# Allegro board 1155000-zp-dic_pda_8ch_board_v002.brd (continued)
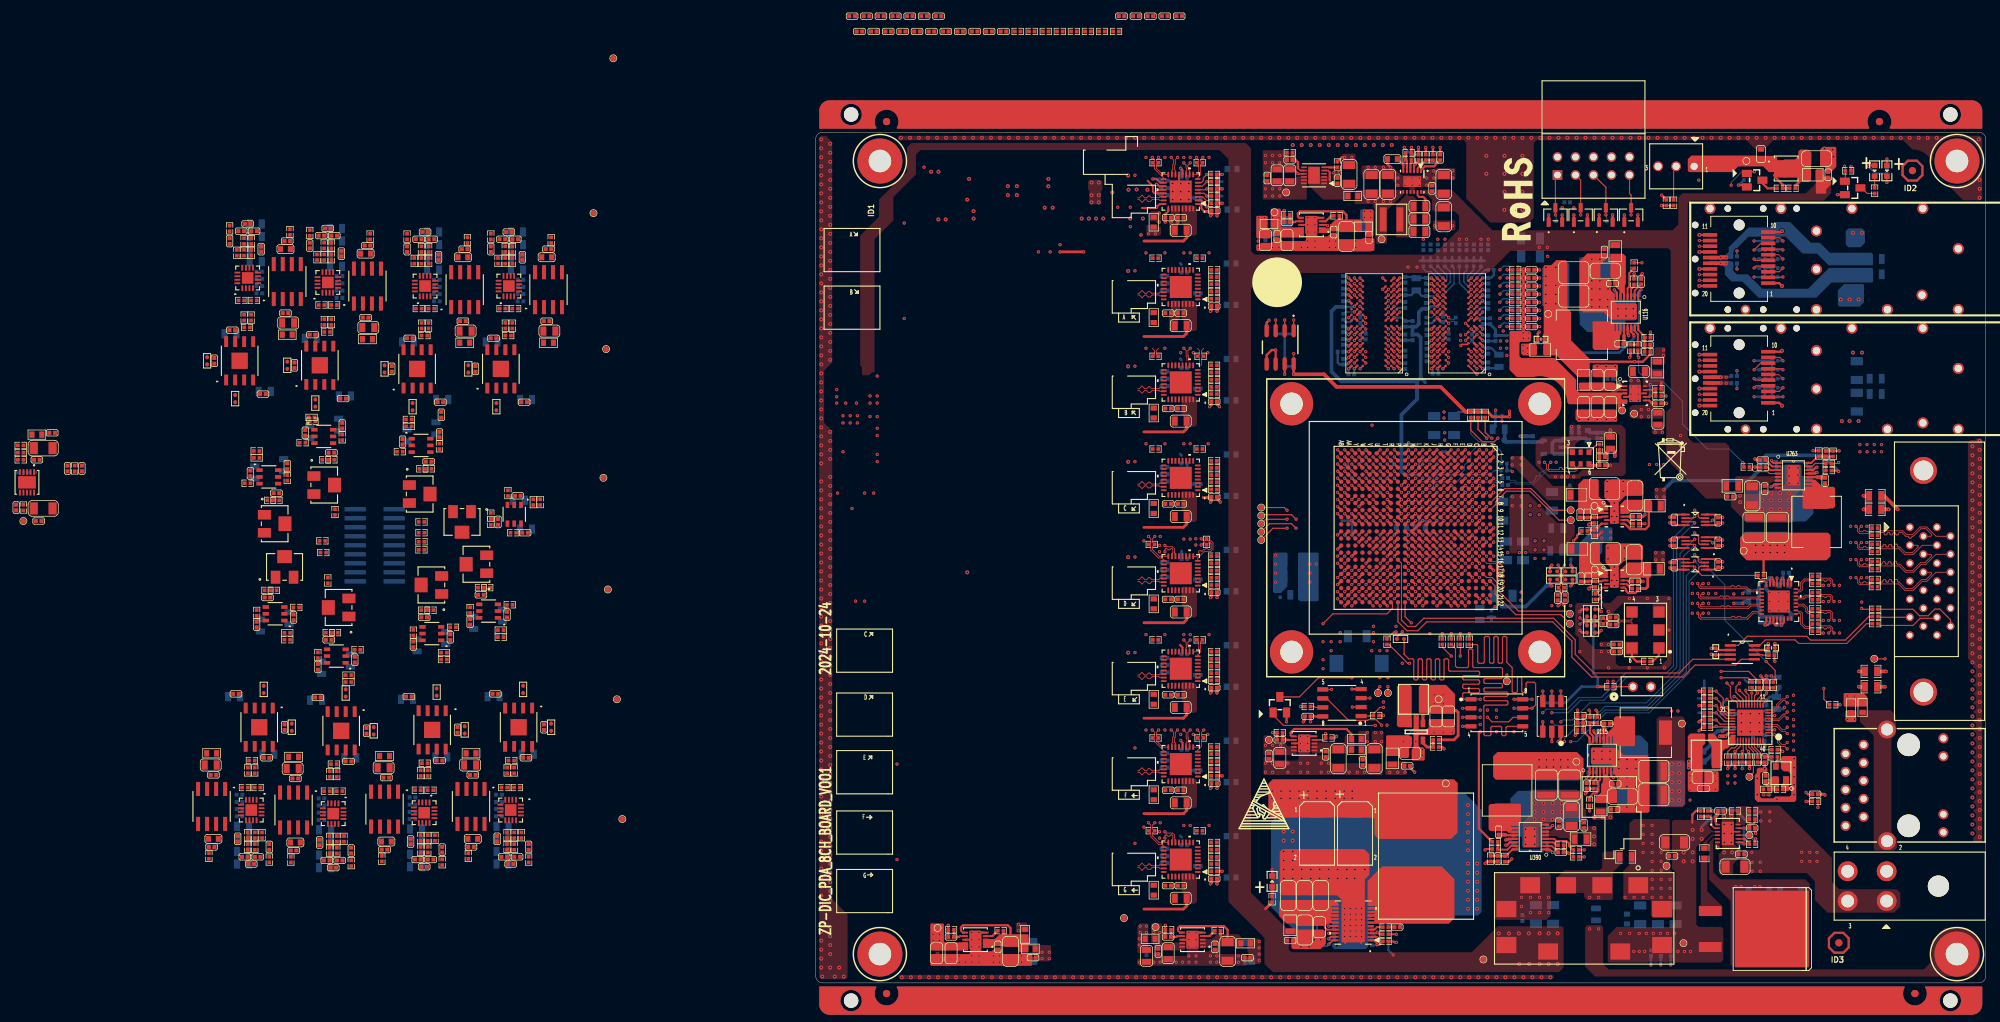
[diagram p0: board, top side]
## Placement (name value [footprint] x y rotation side) (continued)
R2235  1K_DNP  [R0402]  125.7 39.12 0 top
R2236  1K_DNP  [R0402]  125.7 38.1 0 top
R2237  1K  [R0402]  125.7 39.12 180 bottom
R2238  1K  [R0402]  125.7 38.1 180 bottom
R2239  1K_DNP  [R0402]  125.7 40.13 180 bottom
R2240  1K  [R0402]  125.7 40.13 0 top
R2242  1K_DNP  [R0402]  129.63 31.5 90 top
R2244  1K  [R0402]  130.65 31.5 90 top
R2245  1K_DNP  [R0402]  131.67 31.5 90 top
R2247  1K  [R0402]  133.06 42.04 90 bottom
R2248  4.7K  [R0402]  129.63 31.5 270 bottom
R2249  4.7K  [R0402]  131.67 31.5 270 bottom
R2250  4.7K_DNP  [R0402]  130.65 31.5 270 bottom
R2251  4.7K  [R0402]  128.62 31.5 270 top
R2252  100K  [R0402]  134.08 42.04 270 bottom
R2253  0_DNP  [R0402]  135.46 70.51 270 bottom
R2254  49.9K  [R0402]  66.47 108.33 180 top
R2517  -  [44WR10KLFT7]  -47.83 59.06 90 top
R2518  47K  [R0402]  -46.31 55.75 180 top
R2598  4.7K  [R0402]  134.79 46.23 0 top
R2659  10K  [R0402]  -104.47 72.57 270 top
R2666  0_DNP  [R0402]  -112.09 74.8 0 top
R2668  10K_DNP  [R0402]  -110.44 72.01 180 bottom
R2670  0  [R0402]  -112.09 75.82 0 top
R2671  10K  [R0402]  -112.09 73.79 180 top
R2672  100K  [R0402]  -111.71 67.06 270 top
R2674  10K_DNP  [R0402]  -48.72 52.58 90 top
R2676  0  [R0402]  -43.13 53.34 180 top
R2677  10K  [R0402]  -41.48 20.83 90 top
R2679  33  [R0402]  -44.4 48.77 180 top
R2681  33  [R0402]  -42.5 20.83 270 top
R2684  0  [R0402]  -42.5 19.18 270 top
R2688  33_DNP  [R0402]  -42.92 31.37 0 top
R2690  33  [R0402]  -43.51 20.83 270 top
R2691  0  [R0402]  -43.51 19.18 270 top
R2692  49.9K_DNP  [R0402]  -47.2 55.75 0 top
R2696  10K_DNP  [R0402]  -66.76 76.96 270 top
R2697  0  [R0402]  -72.34 76.2 0 top
R2698  10K  [R0402]  -70.31 102.36 270 top
R2700  33  [R0402]  -70.95 79.23 0 top
R2704  33  [R0402]  -69.3 102.36 90 top
R2705  0  [R0402]  -69.3 104.01 90 top
R2709  33_DNP  [R0402]  -68.88 91.82 180 top
R2711  33  [R0402]  -68.28 102.36 90 top
R2712  0  [R0402]  -68.28 104.01 90 top
R2713  49.9K_DNP  [R0402]  -68.28 73.79 180 top
R2716  10K_DNP  [R0402]  -42.63 63.5 180 top
R2718  0  [R0402]  -43.39 69.09 270 top
R2719  10K  [R0402]  -44.78 101.85 270 top
R2721  33  [R0402]  -38.83 67.82 270 top
R2725  33  [R0402]  -43.77 101.85 90 top
R2726  0  [R0402]  -43.77 103.51 90 top
R2730  33_DNP  [R0402]  -43.35 91.31 180 top
R2732  33  [R0402]  -42.75 101.85 90 top
R2733  0  [R0402]  -42.75 103.51 90 top
R2734  49.9K_DNP  [R0402]  -45.8 65.02 90 top
R2737  10K_DNP  [R0402]  -74.5 71.25 270 top
R2739  0  [R0402]  -80.09 70.49 0 top
R2740  10K  [R0402]  -81.61 103 270 top
R2741  33  [R0402]  -78.82 75.04 0 top
R2746  33  [R0402]  -80.6 103 90 top
R2747  0  [R0402]  -80.6 104.65 90 top
R2751  33_DNP  [R0402]  -80.18 92.46 180 top
R2753  33  [R0402]  -79.58 103 90 top
R2754  0  [R0402]  -79.58 104.65 90 top
R2755  49.9K_DNP  [R0402]  -76.03 68.07 180 top
R2758  10K_DNP  [R0402]  -53.04 75.69 270 top
R2760  0  [R0402]  -58.63 74.93 0 top
R2761  10K  [R0402]  -56.6 101.85 270 top
R2764  33  [R0402]  -57.36 79.48 0 top
R2766  33  [R0402]  -55.58 101.85 90 top
R2768  0  [R0402]  -55.58 103.51 90 top
R2772  33_DNP  [R0402]  -55.16 91.31 180 top
R2774  33  [R0402]  -54.56 101.85 90 top
R2775  0  [R0402]  -54.56 103.51 90 top
R2779  10K_DNP  [R0402]  -78.82 52.2 90 top
R2781  0  [R0402]  -73.23 52.96 180 top
R2782  10K  [R0402]  -78.06 20.83 90 top
R2783  33  [R0402]  -74.5 48.41 180 top
R2788  33  [R0402]  -79.07 20.83 270 top
R2789  0  [R0402]  -79.07 19.18 270 top
R2793  33_DNP  [R0402]  -79.49 31.37 0 top
R2795  33  [R0402]  -80.09 20.83 270 top
R2796  0  [R0402]  -80.09 19.18 270 top
R2800  10K_DNP  [R0402]  -56.72 49.4 90 top
R2802  0  [R0402]  -51.13 50.17 180 top
R2803  10K  [R0402]  -53.67 20.45 90 top
R2805  33  [R0402]  -52.4 45.61 180 top
R2808  33  [R0402]  -54.69 20.45 270 top
R2810  0  [R0402]  -54.69 18.8 270 top
R2814  33_DNP  [R0402]  -55.11 30.99 0 top
R2816  33  [R0402]  -55.71 20.45 270 top
R2817  0  [R0402]  -55.71 18.8 270 top
R2821  10K_DNP  [R0402]  -70.18 46.23 90 top
R2823  0  [R0402]  -64.6 46.99 180 top
R2824  10K  [R0402]  -66.5 20.32 90 top
R2827  33  [R0402]  -65.87 42.44 180 top
R2830  33  [R0402]  -67.52 20.32 270 top
R2831  0  [R0402]  -67.52 18.67 270 top
R2835  33_DNP  [R0402]  -67.94 30.86 0 top
R2837  33  [R0402]  -68.53 20.32 270 top
R2838  0  [R0402]  -68.53 18.67 270 top
R3010  10K  [R0402]  118.84 83.79 180 top
R3011  0  [R0402]  118.84 82.78 0 top
R3012  100  [R0402]  54.15 75.31 180 top
R3013  100  [R0402]  47.93 75.31 180 top
R3014  0  [R0402]  56.18 69.6 180 top
R3015  0_NP  [R0402]  56.18 73.66 180 top
R3016  1K  [R0402]  56.18 73.66 180 bottom
R3017  0_NP  [R0402]  56.18 72.64 180 top
R3018  1K  [R0402]  56.18 72.64 180 bottom
R3019  0_NP  [R0402]  56.18 71.63 180 top
R3020  1K  [R0402]  56.18 71.63 180 bottom
R3021  0  [R0402]  56.18 70.61 180 top
R3022  1K_NP  [R0402]  56.18 70.61 180 bottom
R3026  0  [R0402]  -40.47 17.4 90 top
R3033  100  [R0402]  55.12 62.22 270 top
R3034  100  [R0402]  47.39 61.85 180 top
R3035  0  [R0402]  56.18 56.13 180 top
R3036  0_NP  [R0402]  56.18 60.2 180 top
R3037  1K  [R0402]  56.18 60.2 180 bottom
R3038  0_NP  [R0402]  56.18 59.18 180 top
R3039  1K  [R0402]  56.18 59.18 180 bottom
R3040  0_NP  [R0402]  56.18 58.17 180 top
R3041  1K  [R0402]  56.18 58.17 180 bottom
R3042  0  [R0402]  56.18 57.15 180 top
R3043  1K_NP  [R0402]  56.18 57.15 180 bottom
R3047  0  [R0402]  -71.33 105.79 270 top
R3054  100  [R0402]  54.28 88.39 180 top
R3055  100  [R0402]  47.93 88.39 180 top
R3056  0  [R0402]  56.18 83.06 180 top
R3057  0_NP  [R0402]  56.18 87.12 180 top
R3058  1K  [R0402]  56.18 87.12 180 bottom
R3059  0_NP  [R0402]  56.18 86.11 180 top
R3060  1K  [R0402]  56.18 86.11 180 bottom
R3061  0_NP  [R0402]  56.18 85.09 180 top
R3062  1K  [R0402]  56.18 85.09 180 bottom
R3063  0  [R0402]  56.18 84.07 180 top
R3064  1K_NP  [R0402]  56.18 84.07 180 bottom
R3068  0  [R0402]  -45.8 105.28 270 top
R3075  100  [R0402]  54.15 48.39 180 top
R3076  100  [R0402]  47.93 48.39 180 top
R3077  0  [R0402]  56.18 42.67 180 top
R3078  0_NP  [R0402]  56.18 46.74 180 top
R3079  1K  [R0402]  56.18 46.74 180 bottom
R3080  0_NP  [R0402]  56.18 45.72 180 top
R3081  1K  [R0402]  56.18 45.72 180 bottom
R3082  0_NP  [R0402]  56.18 44.7 180 top
R3083  1K  [R0402]  56.18 44.7 180 bottom
R3084  0  [R0402]  56.18 43.69 180 top
R3085  1K_NP  [R0402]  56.18 43.69 180 bottom
R3089  0  [R0402]  -82.63 106.43 270 top
R3096  100  [R0402]  47.93 102.24 180 top
R3097  100  [R0402]  54.15 102.24 180 top
R3098  0  [R0402]  56.18 96.52 180 top
R3099  0_NP  [R0402]  56.18 100.58 180 top
R3100  1K  [R0402]  56.18 100.58 180 bottom
R3101  0_NP  [R0402]  56.18 99.57 180 top
R3102  1K  [R0402]  56.18 99.57 180 bottom
R3103  0_NP  [R0402]  56.18 98.55 180 top
R3104  1K  [R0402]  56.18 98.55 180 bottom
R3105  0  [R0402]  56.18 97.54 180 top
R3106  1K_NP  [R0402]  56.18 97.54 180 bottom
R3110  0  [R0402]  -57.61 105.28 270 top
R3117  100  [R0402]  54.28 34.54 180 top
R3118  100  [R0402]  47.93 34.54 180 top
R3119  0  [R0402]  56.18 29.21 180 top
R3120  0_NP  [R0402]  56.18 33.27 180 top
R3121  1K  [R0402]  56.18 33.27 180 bottom
R3122  0_NP  [R0402]  56.18 32.26 180 top
R3123  1K  [R0402]  56.18 32.26 180 bottom
R3124  0_NP  [R0402]  56.18 31.24 180 top
R3125  1K  [R0402]  56.18 31.24 180 bottom
R3126  0  [R0402]  56.18 30.23 180 top
R3127  1K_NP  [R0402]  56.18 30.23 180 bottom
R3131  0  [R0402]  -77.04 17.4 90 top
R3138  100  [R0402]  54.15 115.7 180 top
R3139  100  [R0402]  47.93 115.7 180 top
R3140  0  [R0402]  56.18 109.98 180 top
R3141  0_NP  [R0402]  56.18 114.05 180 top
R3142  1K  [R0402]  56.18 114.05 180 bottom
R3143  0_NP  [R0402]  56.18 113.03 180 top
R3144  1K  [R0402]  56.18 113.03 180 bottom
R3145  0_NP  [R0402]  56.18 112.01 180 top
R3146  1K  [R0402]  56.18 112.01 180 bottom
R3147  0  [R0402]  56.18 111 180 top
R3148  1K_NP  [R0402]  56.18 111 180 bottom
R3152  0  [R0402]  -52.66 17.02 90 top
R3159  100  [R0402]  54.15 21.46 180 top
R3160  100  [R0402]  47.39 21.46 180 top
R3161  0  [R0402]  56.18 15.75 180 top
R3162  0_NP  [R0402]  56.18 19.81 180 top
R3163  1K  [R0402]  56.18 19.81 180 bottom
R3164  0_NP  [R0402]  56.18 18.8 180 top
R3165  1K  [R0402]  56.18 18.8 180 bottom
R3166  0_NP  [R0402]  56.18 17.78 180 top
R3167  1K  [R0402]  56.18 17.78 180 bottom
R3168  0  [R0402]  56.18 16.76 180 top
R3169  1K_NP  [R0402]  56.18 16.76 180 bottom
R3173  0  [R0402]  -65.49 16.89 90 top
R3180  1K  [R0402]  -112.09 72.01 180 bottom
R3188  10K  [R0402]  95.79 19.91 0 top
R3189  0  [R0402]  107.22 18.77 180 top
R3191  1M  [R0402]  95.17 17.53 270 top
R3192  0_DNP  [R0402]  102.78 18.64 180 bottom
R3193  0  [R0402]  102.78 19.65 0 bottom
R3195  52.3K  [R0402]  105.08 19.43 0 top
R3196  0_DNP  [R0402]  103.18 21.67 90 bottom
R3197  169K  [R0402]  97.19 17.5 270 top
R3198  0_DNP  [R0402]  107.23 17.78 180 top
R3200  0_DNP  [R0402]  87.04 116.46 270 top
R3201  0  [R0402]  95.79 18.89 0 top
R3203  24.9K  [R0402]  19.1 7.49 180 top
R3204  10K_DNP  [R0402]  26.08 7.37 0 top
R3205  0  [R0402]  73.58 115.44 270 top
R3206  24.9K  [R0402]  66.85 117.09 180 top
R3207  0  [R0402]  -55.58 62.23 0 top
R3208  0  [R0402]  -67.77 66.42 90 top
R3209  0  [R0402]  -55.58 63.5 0 top
R3210  0  [R0402]  -69.55 62.36 180 top
R3211  0  [R0402]  -55.58 65.02 0 top
R3212  0  [R0402]  -69.42 60.71 180 top
R3213  0  [R0402]  -55.58 61.09 0 top
R3214  0  [R0402]  -68.79 56.77 270 top
R3216  2K  [R0402_BGA]  -37.29 36.07 270 top
R3218  1K  [R0402_BGA]  -41.25 41.4 270 top
R3219  2K  [R0402_BGA]  -74.5 87.12 90 top
R3220  1K  [R0402_BGA]  -70.55 81.79 90 top
R3223  2K  [R0402_BGA]  -48.98 86.61 90 top
R3224  1K  [R0402_BGA]  -45.02 81.28 90 top
R3227  2K  [R0402_BGA]  -85.81 87.76 90 top
R3228  1K  [R0402_BGA]  -81.85 82.42 90 top
R3231  2K  [R0402_BGA]  -60.79 86.61 90 top
R3232  1K  [R0402_BGA]  -56.83 81.28 90 top
R3235  2K  [R0402_BGA]  -73.87 36.07 270 top
R3236  1K  [R0402_BGA]  -77.82 41.4 270 top
R3239  2K  [R0402_BGA]  -49.48 35.69 270 top
R3240  1K  [R0402_BGA]  -53.44 41.02 270 top
R3243  2K  [R0402_BGA]  -62.31 35.56 270 top
R3244  1K  [R0402_BGA]  -66.27 40.89 270 top
R3255  10K_DNP  [R0402]  73.45 108.2 180 top
R3256  100  [R0402]  -42.52 29.97 270 top
R3257  100  [R0402]  -43.49 29.97 270 top
R3258  100  [R0402]  -42.12 27.56 0 top
R3259  100  [R0402]  -43.9 27.56 180 top
R3260  100  [R0402]  -69.68 95.63 180 top
R3261  100  [R0402]  -69.28 93.22 90 top
R3262  100  [R0402]  -68.3 93.22 90 top
R3263  100  [R0402]  -67.9 95.63 0 top
R3264  100  [R0402]  -44.15 95.12 180 top
R3265  100  [R0402]  -43.75 92.71 90 top
R3266  100  [R0402]  -42.77 92.71 90 top
R3267  100  [R0402]  -42.37 95.12 0 top
R3268  100  [R0402]  -80.98 96.27 180 top
R3269  100  [R0402]  -80.58 93.85 90 top
R3270  100  [R0402]  -79.6 93.85 90 top
R3271  100  [R0402]  -79.2 96.27 0 top
R3272  100  [R0402]  -55.96 95.12 180 top
R3273  100  [R0402]  -55.56 92.71 90 top
R3274  100  [R0402]  -54.58 92.71 90 top
R3275  100  [R0402]  -54.18 95.12 0 top
R3276  100  [R0402]  -78.69 27.56 0 top
R3277  100  [R0402]  -79.09 29.97 270 top
R3278  100  [R0402]  -80.07 29.97 270 top
R3279  100  [R0402]  -80.47 27.56 180 top
R3280  100  [R0402]  -54.31 27.18 0 top
R3281  100  [R0402]  -54.71 29.59 270 top
R3282  100  [R0402]  -55.69 29.59 270 top
R3283  100  [R0402]  -56.09 27.18 180 top
R3284  100  [R0402]  -67.14 27.05 0 top
R3285  100  [R0402]  -67.54 29.46 270 top
R3286  100  [R0402]  -68.51 29.46 270 top
R3287  100  [R0402]  -68.91 27.05 180 top
R3288  0  [R0402]  28.49 134.21 0 top
R3289  0  [R0402]  30.47 134.21 0 top
R3290  -  [44WR10KLFT7]  -69.3 70.23 270 top
R3291  47K  [R0402]  -69.17 73.79 0 top
R3292  -  [44WR10KLFT7]  -49.86 65.02 180 top
R3293  47K  [R0402]  -45.8 65.91 270 top
R3294  0  [R0402]  32.45 134.21 0 top
R3295  -  [44WR10KLFT7]  -76.28 64.77 270 top
R3296  47K  [R0402]  -76.92 68.07 0 top
R3297  0  [R0402]  34.43 134.21 0 top
R3298  0  [R0402]  36.41 134.21 0 top
R3299  -  [44WR10KLFT7]  -55.83 68.96 270 top
R3300  47K  [R0402]  -55.45 72.52 0 top
R3301  49.9K_DNP  [R0402]  -54.56 72.52 180 top
R3302  -  [44WR10KLFT7]  -74.88 58.67 0 top
R3303  47K  [R0402]  -76.41 55.37 180 top
R3304  49.9K_DNP  [R0402]  -77.3 55.37 0 top
R3305  0  [R0402]  38.39 134.21 0 top
R3306  -  [44WR10KLFT7]  -54.18 56.13 90 top
R3307  47K  [R0402]  -54.31 52.58 180 top
R3308  49.9K_DNP  [R0402]  -55.2 52.58 0 top
R3309  0  [R0402]  40.38 134.21 0 top
R3310  -  [44WR10KLFT7]  -67.26 52.96 90 top
R3311  47K  [R0402]  -67.77 49.4 180 top
R3312  49.9K_DNP  [R0402]  -68.66 49.4 0 top
R3313  0  [R0402]  42.36 134.21 0 top
TP20  TP  [TP0_8]  131.67 29.08 270 top
TP37  TP  [TP0_8]  122.37 5.6 0 top
TP38  TP  [TP0_8]  119.98 16.51 0 top
TP39  TP  [TP0_8]  94.15 3.3 0 top
TP40  TP  [TP0_8]  131.67 20.83 0 top
TP41  TP  [TP0_8]  88.87 28.14 0 top
TP43  TP  [TP0_8]  122.14 36.58 90 top
TP44  TP  [TP0_8]  103.3 94.36 270 top
TP45  TP  [TP0_8]  130.86 60.96 0 top
TP47  TP  [TP0_8]  109.85 58.32 180 top
TP48  TP  [TP0_8]  113.71 80.75 0 top
TP49  TP  [TP0_8]  115.41 80.29 0 top
TP52  TP  [TP0_8]  109.83 67.28 180 top
TP58  TP  [TP0_8]  87.85 40.01 180 top
TP62  TP  [TP0_8]  64.69 108.71 180 top
TP64  TP  [TP0_8]  63.93 34.29 180 top
TP68  TP  [TP0_8]  47.93 7.87 180 top
TP69  TP  [TP0_8]  131.24 115.95 180 top
TP83  TP  [TP0_8]  79.8 104.9 90 top
TP102  TP  [TP0_8]  106.35 52.07 0 top
TP103  TP  [TP0_8]  106.35 50.67 0 top
TP104  TP  [TP0_8]  80.69 40.89 0 top
TP105  TP  [TP0_8]  79.29 40.89 0 top
TP112  TP  [TP0_8]  97.46 42.55 0 top
TP116  TP  [TP0_8]  62.83 65.91 270 top
TP133  TP  [TP0_8]  62.83 67.06 270 top
TP134  TP  [TP0_8]  62.83 62.48 270 top
TP135  TP  [TP0_8]  62.83 64.77 270 top
TP136  TP  [TP0_8]  62.83 63.63 270 top
TP138  TP  [TP0_8]  149.27 45.72 90 top
TP146  TP  [TP0_8]  97.07 76.58 90 bottom
TP147  TP  [TP0_8]  -29.93 71.25 180 top
TP148  TP  [TP0_8]  -29.29 55.5 180 top
TP149  TP  [TP0_8]  -29.54 89.41 180 top
TP150  TP  [TP0_8]  -28.02 40.01 180 top
TP151  TP  [TP0_8]  -31.32 108.59 180 top
TP152  TP  [TP0_8]  -27.26 23.11 180 top
TP153  TP  [TP0_8]  -28.53 130.43 180 top
TP154  TP  [TP0_8]  43.48 9.14 180 top
TP158  TP  [TP0_8]  106.47 65.28 0 top
TP159  TP  [TP0_8]  106.47 66.68 0 top
TP163  TP  [TP0_8]  -111.71 65.15 270 top
TP164  TP  [TP0_8]  107.27 31.22 180 top
TP165  TP  [TP0_8]  17.19 7.75 180 top
TP166  TP  [TP0_8]  66.34 111.51 180 top
U1  XC7K70T-2FBG484I  [XC7K70T2FBG484I]  84.6 64.19 270 top
U23  -  [TPS51200DRC]  115.54 83.16 0 top
U49  SN74LVC2T45DCUR  [SN74LVC2T45_VSSOP8]  124.02 62.11 180 top
U75  MT41K512M16VRP-107 IT:P  [MT41K512M16VRP]  78.76 93.04 180 top
U76  MT41K512M16VRP-107 IT:P  [MT41K512M16VRP]  90.45 93.04 180 top
U79  TMP75BID_DNP  [TMP75BID]  65.5 89.66 270 top
U93  -  [RTL8211FI-CG]  131.79 36.7 180 top
U94  25MHz  [ECS-2520MV]  136.11 29.59 270 top
U102  MT25QU128ABA1ESE-0SIT  [W25Q128JWSIQ]  96.06 38.1 270 top
U103  SIT5021AI-2DE-33E-100.000000X  [SIT5021]  117.01 49.78 90 top
U111  QPI-12LZ-01  [QPI-12LZ]  108.37 9.1 180 top
U112  -  [LT4356HDE-1]  128.62 21.08 0 top
U113  -  [TPS53353DQP]  75.79 8.51 180 top
U115  LT8610ACEMSE  [LT8610AC]  110.87 32.12 0 top
U116  LT8610ACEMSE  [LT8610AC]  114.24 94.6 180 top
U118  -  [TPS7A9201DSKR]  112.62 56.77 0 top
U119  -  [TPS7A9201DSKR]  112.62 65.79 0 top
U124  -  [TLV62565DBVR]  84.68 35.41 270 top
U127  Value  [LT3045EDD]  69.9 106.93 180 top
U129  Value  [LT3045EDD]  68.88 33.78 180 top
U133  Value  [LT3045EDD]  53.13 6.1 180 top
U134  ATS-08D-51-C2-R0_DNP  [ATS-08D-51-C2-R0]  84.6 64.19 270 top
U154  -  [TXS0102DCT]  130.67 46.63 0 top
U236  -  [TPS63710DRRR]  84.12 113.03 270 top
U263  LT8610ACEMSE  [LT8610AC]  137.88 71.6 270 top
U270  156.25MHz  [SMD-3225]  107.87 74.04 180 top
U271  Value  [DS90LV804TSQ]  135.81 53.8 270 top
U272  ADP150AUJZ-1.8-R7  [ADP150AUJZ]  103.93 75.57 180 bottom
U273  25AA512T-I/SN_DNP  [25AA512T]  74.21 39.5 90 top
U275  ADR4540BRZ  [ADR4525BRZ]  -48.59 24.89 270 top
U276  ADR4540BRZ  [ADR4525BRZ]  -63.2 98.3 90 top
U277  ADR4540BRZ  [ADR4525BRZ]  -37.67 97.79 90 top
U278  ADR4540BRZ  [ADR4525BRZ]  -74.5 98.93 90 top
U280  ADR4540BRZ  [ADR4525BRZ]  -49.48 97.79 90 top
U281  ADR4540BRZ  [ADR4525BRZ]  -85.17 24.89 270 top
U282  ADR4540BRZ  [ADR4525BRZ]  -60.79 24.51 270 top
U283  ADR4540BRZ  [ADR4525BRZ]  -73.61 24.38 270 top
U286  SN74LVC2T45DCUR  [SN74LVC2T45_VSSOP8]  124.02 59.05 180 top
U287  SN74LVC2T45DCUR  [SN74LVC2T45_VSSOP8]  124.02 65.32 0 top
U341  Value  [LT3045EDD]  -111.21 70.61 270 top
U342  -  [LTC6268IS6-10]  -46.12 52.45 180 top
U343  -  [ADA4625-1ARDZ]  -41.88 36.07 270 top
U344  -  [ADA4945-1ACPZ]  -43.01 24.38 270 top
U345  -  [ADA4945-1ACPZ]  -68.79 98.81 90 top
U346  -  [LTC6268IS6-10]  -69.36 77.09 0 top
U347  -  [ADA4625-1ARDZ]  -69.91 87.12 90 top
U348  -  [ADA4625-1ARDZ]  -44.38 86.61 90 top
U349  -  [ADA4945-1ACPZ]  -43.26 98.3 90 top
U350  -  [LTC6268IS6-10]  -42.5 66.1 270 top
U351  -  [ADA4625-1ARDZ]  -81.21 87.76 90 top
U352  -  [ADA4945-1ACPZ]  -80.09 99.44 90 top
U353  -  [LTC6268IS6-10]  -77.11 71.37 0 top
U354  -  [LTC6268IS6-10]  -55.64 75.82 0 top
U355  -  [ADA4945-1ACPZ]  -55.07 98.3 90 top
U356  -  [ADA4625-1ARDZ]  -56.19 86.61 90 top
U357  -  [LTC6268IS6-10]  -76.22 52.07 180 top
U358  -  [ADA4625-1ARDZ]  -78.46 36.07 270 top
U359  -  [ADA4945-1ACPZ]  -79.58 24.38 270 top
U360  -  [ADA4945-1ACPZ]  -55.2 24 270 top
U361  -  [LTC6268IS6-10]  -54.12 49.28 180 top
U362  -  [ADA4625-1ARDZ]  -54.07 35.69 270 top
U363  -  [LTC6268IS6-10]  -67.58 46.1 180 top
U364  -  [ADA4945-1ACPZ]  -68.03 23.88 270 top
U365  -  [ADA4625-1ARDZ]  -66.9 35.56 270 top
U366  AD7960BCPZ  [CP_32_7_ADI]  51.48 71.25 180 top
U369  AD7960BCPZ  [CP_32_7_ADI]  51.48 57.79 180 top
U372  AD7960BCPZ  [CP_32_7_ADI]  51.48 84.71 180 top
U375  AD7960BCPZ  [CP_32_7_ADI]  51.48 44.32 180 top
U378  AD7960BCPZ  [CP_32_7_ADI]  51.48 98.17 180 top
U381  AD7960BCPZ  [CP_32_7_ADI]  51.48 30.86 180 top
U384  AD7960BCPZ  [CP_32_7_ADI]  51.48 111.63 180 top
U387  AD7960BCPZ  [CP_32_7_ADI]  51.48 17.4 180 top
U390  LT8610ACEMSE  [LT8610AC]  100.76 20.57 90 top
U391  Value  [LT3045EDD]  22.53 6.1 180 top
U392  -  [LT3094EDD]  70.28 113.92 180 top

## Library data of the parts
C2 C13-C15 C22 C23 C97 C426 C427 C430 C431 C462 C463 C491 C492 C505 C524-C527 C546-C548 C552-C555 C641 C839 C842 C847 C849 C851-C853 C864 C1184-C1186 C1491 C1492 C2256 C2413 C2482 C2491 C2493 C2494 C3012 C3068 C3069 C3088 C3089 C3091-C3094 C3096 C3097 C3101 C3104 C3106 C3108 C3110-C3112 C3114-C3117 C3119 C3120 C3124 C3127 C3129 C3131 C3133-C3135 C3137-C3140 C3142 C3143 C3147 C3150 C3152 C3154 C3156-C3158 C3160-C3163 C3165 C3166 C3170 C3173 C3175 C3177 C3179-C3181 C3183-C3186 C3188 C3189 C3193 C3196 C3198 C3200 C3202-C3204 C3206-C3209 C3211 C3212 C3216 C3219 C3221 C3223 C3225-C3227 C3229-C3232 C3234 C3235 C3239 C3242 C3244 C3246 C3248-C3250 C3252-C3255 C3257 C3258 C3262 C3265 C3267 C3269 C3271 C3396 C3398 C3400 C3402 C3404 C3406 C3408 C3410 = 0_1UF_0
C114 C115 C1153-C1156 C1178 C1197 C1205 C1215 C1230 C2084 C2085 C2092-C2094 C2490 C2492 C3385 = 22UF_0
C123 = 47UF_0: signal model: SR0402-BGA_0
C143 C425 C521 C549 C1172-C1174 C1181 C1193-C1196 C1198-C1201 C1232 C1233 C3388-C3391 = 47UF_0
C144 C146 C153 C155 C165 C166 C401 C403 C408-C410 C415 C417-C420 C434 C438 C440 C441 C494 C495 C506-C508 C510 C511 C514-C516 C522 C523 C528-C536 C538-C543 C550 C551 C556-C565 C567-C573 C865 C1151 C1340 C2477 C2483 C2486 C2488 C2495 C3015 C3418 C3424 C3537-C3539 C3541 C3543 C3544 C3546 C3547 C3549 C3550 C3552 C3553 C3555 C3556 C3558 C3559 = 4_7UF_0
C161 C162 C400 C407 C414 C437 C493 = 100UF_0
C187 C520 C544 C545 C930 C989 C990 C1135 C1136 C1145 C1146 C1148 C1152 C1159 C1176 C1177 C1179 C1180 C1182 C1183 C1187 C1188 C1190-C1192 C1203 C1204 C1206-C1209 C1216 C1231 C1234 C1256 C1277 C1282 C1298 C1301 C1338 C1348 C2086 C2088 C2450 C2469 C2470 C2472-C2474 C2476 C2480 C2481 C2485 C2487 C2489 C2971 C2973 C2976 C2978 C2980 C2982 C2984 C2986 C2990 C2992 C2994 C2996 C2998 C3000 C3002 C3004 C3009-C3011 C3036-C3041 C3079 C3081 C3084 C3087 C3272-C3278 C3280 C3283 C3286-C3292 C3294 C3297 C3300-C3306 C3308 C3311 C3314-C3320 C3322 C3325 C3328-C3334 C3336 C3339 C3342-C3348 C3350 C3353 C3356-C3362 C3364 C3367 C3370-C3376 C3378 C3381 C3384 C3386 C3387 C3392 C3393 C3412 C3414 C3417 C3420 C3423 C3426 C3428 = 0_01UF_0
C224 C640 C1157 = 4_7UF_1
C250 C566 C841 C846 C850 C1257-C1259 C1281 C1300 C1341 C3016 C3017 C3021 C3415 C3416 C3421 C3422 C3425 C3427 = 10UF_1
C271 C1140 = 1000PF_0
C340-C344 C2089-C2091 C2484 C2974 C2975 C2979 C2983 C2989 C2993 C2997 C3001 C3090 C3095 C3098 C3102 C3103 C3105 C3107 C3109 C3118 C3121 C3125 C3126 C3128 C3130 C3132 C3141 C3144 C3148 C3149 C3151 C3153 C3155 C3164 C3167 C3171 C3172 C3174 C3176 C3178 C3187 C3190 C3194 C3195 C3197 C3199 C3201 C3210 C3213 C3217 C3218 C3220 C3222 C3224 C3233 C3236 C3240 C3241 C3243 C3245 C3247 C3256 C3259 C3263 C3264 C3266 C3268 C3270 C3279 C3293 C3307 C3321 C3335 C3349 C3363 C3377 C3395 C3397 C3399 C3401 C3403 C3405 C3407 C3409 C3540 C3542 C3545 C3548 C3551 C3554 C3557 = 10UF_0
C642 = 0_01UF_0: signal model: SC0402_100NF/10V
C854 C855 = 0_1UF_0: signal model: SC0402_100NF/10V
C859 = 10UF_1: signal model: SC0402_100NF/10V
C939 C940 = 0_01UF_0: signal model: 0_01UF_0_C0402_0.1UF_0.1UF
C1134 C1137-C1139 C1142 C1147 C1149 C1150 C1339 C1349 C2479 C3050-C3053 C3080 C3086 C3411 C3413 C3419 = 10UF_2
C1144 C1158 C1175 C1189 C1202 C1347 C2087 C2467 C2468 C2471 C2972 C2977 C2981 C2985 C2991 C2995 C2999 C3003 C3394 = 1UF_0
CC1 CC7 CC8 = 680UF_TANT_E_1
D2-D5 = BAT54CLT1G_2
DS10 DS18 DS24 = LED-GRN-SMT_LED_2
J1 = 10PIN_CONNECTOR_1
J6 = KRJ-320DNL_1
J18 = POWER_HDR_1
J60 = PMT_SOCKET_5
J61 = HDR_5
J75 = 12226-5150-00FR_camera_conn
J77 = CON_2
J78 = THS103J
L3 L5-L7 L34 L42 L45 L54 L89-L93 L95 L96 L98-L102 L111 L122 L125 L131 L134 L233 L242-L245 L265 L282 L283 L287 L288 L290 L291 L299-L306 L309 L356-L389 L391-L395 = BLM15HD102SN1_0
L85 = 2773021447_1
L86 L94 L97 L112 L228 L246 L390 = INDUCTOR3_1
MH1-MH4 = HOLE_MH_125_3
P3 P4 = 74441-0010_1
Q1 = 2SK1824_1
Q10 Q15 Q21 = NDS331N_SOT23_1
Q20 = CSD25402Q3A_1
R4 R8 R11-R14 R41 R42 R391 R392 R496-R501 R516 R845 R2050 R2120 R2121 R2135 R2144-R2151 R2153 R2248-R2251 R2598 = 4_7K_0
R87 = 249_0402
R165 = 100_1
R219 R221 R455 R456 R1033 R1034 R1036-R1050 R1057 R1058 R1062 R1063 R1065 R1068 R1072-R1074 R1076 R1083 R1085 R1086 R1089 R1091 R1098 R1100 R1112-R1114 R1129 R1130 R1138 R1150 R1196 R1198 R1882 R1883 R1885 R2083 R2129 R2130 R2137 R2139 R2152 R2252 R2254 R2518 R2659 R2668 R2671 R2672 R2674 R2677 R2692 R2696 R2698 R2713 R2716 R2719 R2734 R2737 R2740 R2755 R2758 R2761 R2779 R2782 R2800 R2803 R2821 R2824 R3010 R3188 R3191 R3195 R3197 R3203 R3204 R3206 R3255 R3291 R3293 R3296 R3300 R3301 R3303 R3304 R3307 R3308 R3311 R3312 = 10_0K_0